# Altium PCB FMC_ADC_128CH_10B.PcbDoc (part 3 of 14)
Units mm, origin at the board's own origin, x right, y up, seen from the top; angles counter-clockwise.
Board outline 76.5 x 69 mm, 8 copper layers (Top Layer, Int1 (Sign), Int2 (GND), Int3 (Sign), Int4 (Sign), Int5 (GND), Int6 (Sign), Bottom Layer), stack 1.433 mm thick; 815 components, 661 nets, 3772 pads, 2072 vias.
Unrouted connection lines stored in the file: 135.
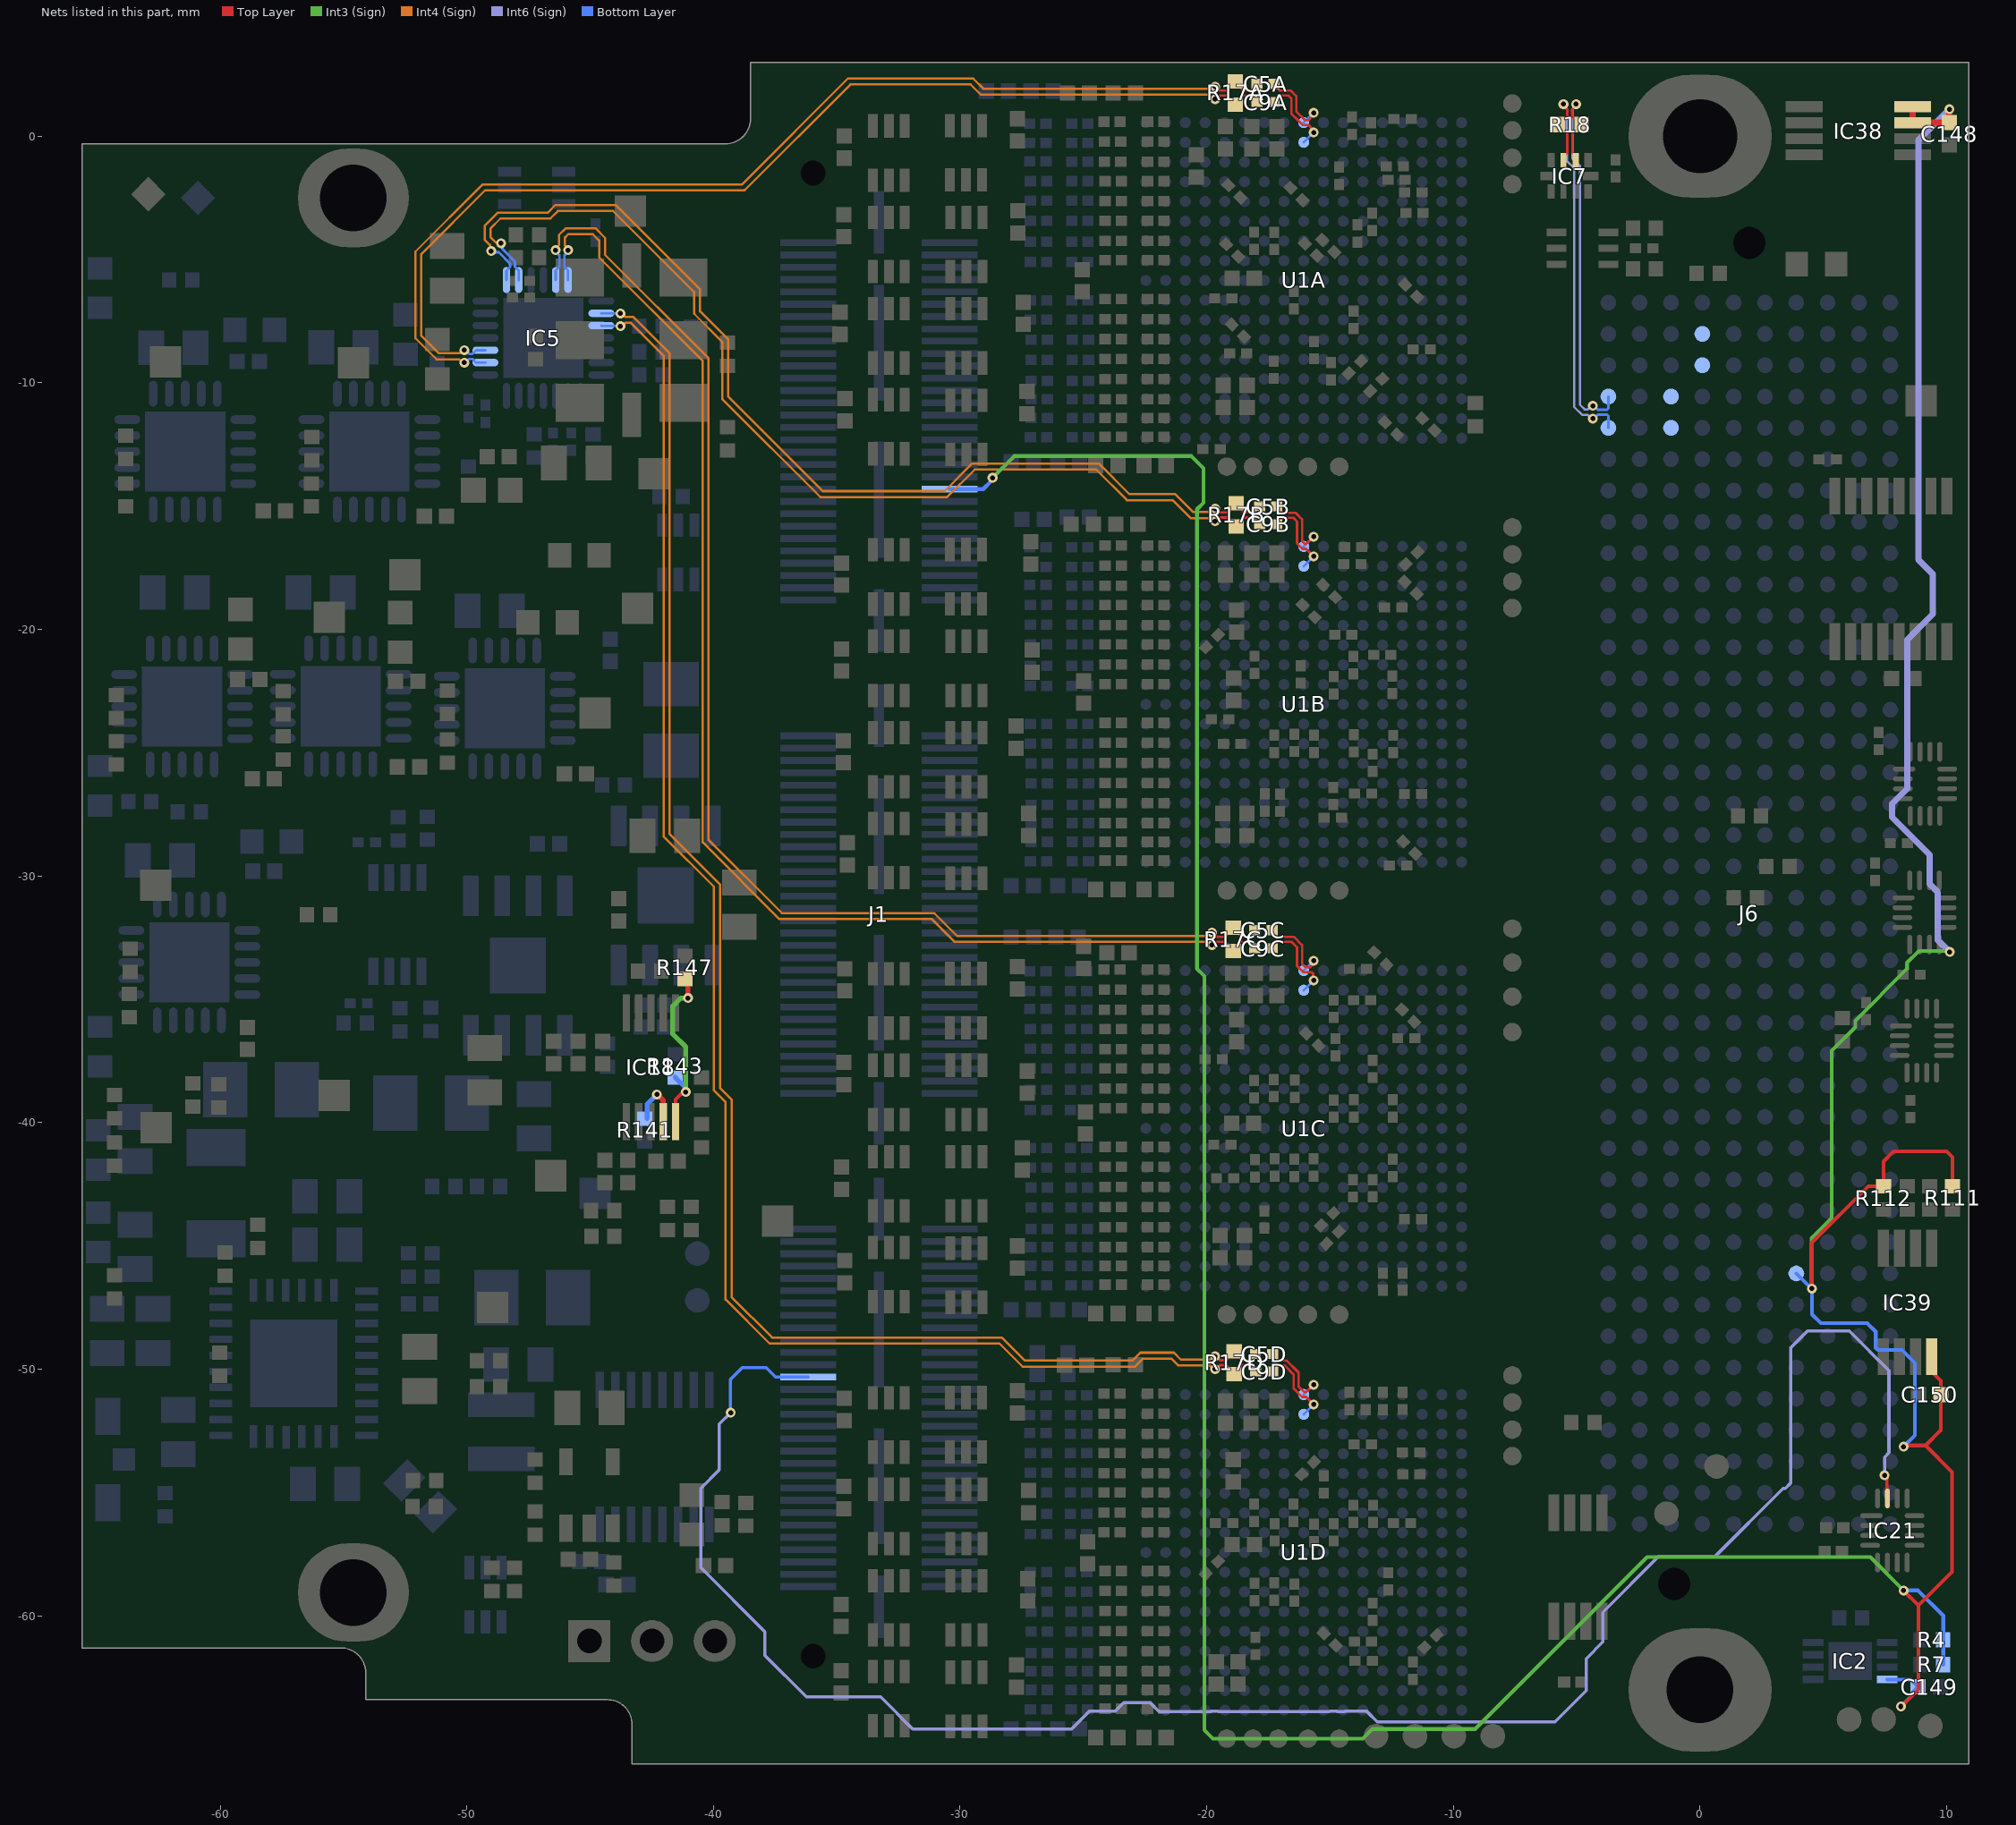
[diagram p9: the nets of this part, all layers, seen from the top]

## Footprints (in the part's own frame and the unit in brackets; to place one, negate y for a bottom-side part, rotate by r counter-clockwise, add the part's x,y. Pads: shape width x height; smd on the part's side, far side on the other; paste and mask are expansions set on the pad) (continued)
SAMTEC_ASP-134488-01 [mm] "Connector VITA 57, 400 Male contacts in 10 row abcdefghj"
  round 0.5 hole 1.3 unplated mask+0.4: 1(-27.191,-3.048) 2(27.191,0)
  round 0.64 smd paste+0.125: a1(24.765,5.715) a2(23.495,5.715) a3(22.225,5.715) a4(20.955,5.715) a5(19.685,5.715) a6(18.415,5.715) a7(17.145,5.715) a8(15.875,5.715) a9(14.605,5.715) a10(13.335,5.715) a11(12.065,5.715) a12(10.795,5.715) a13(9.525,5.715) a14(8.255,5.715) a15(6.985,5.715) a16(5.715,5.715) a17(4.445,5.715) a18(3.175,5.715) a19(1.905,5.715) a20(0.635,5.715) a21(-0.635,5.715) a22(-1.905,5.715) a23(-3.175,5.715) a24(-4.445,5.715) a25(-5.715,5.715) a26(-6.985,5.715) a27(-8.255,5.715) a28(-9.525,5.715) a29(-10.795,5.715) a30(-12.065,5.715) a31(-13.335,5.715) a32(-14.605,5.715) a33(-15.875,5.715) a34(-17.145,5.715) a35(-18.415,5.715) a36(-19.685,5.715) a37(-20.955,5.715) a38(-22.225,5.715) a39(-23.495,5.715) a40(-24.765,5.715) b1(24.765,4.445) b2(23.495,4.445) b3(22.225,4.445) b4(20.955,4.445) b5(19.685,4.445) b6(18.415,4.445) b7(17.145,4.445) b8(15.875,4.445) b9(14.605,4.445) b10(13.335,4.445) b11(12.065,4.445) b12(10.795,4.445) b13(9.525,4.445) b14(8.255,4.445) b15(6.985,4.445) b16(5.715,4.445) b17(4.445,4.445) b18(3.175,4.445) b19(1.905,4.445) b20(0.635,4.445) b21(-0.635,4.445) b22(-1.905,4.445) b23(-3.175,4.445) b24(-4.445,4.445) b25(-5.715,4.445) b26(-6.985,4.445) b27(-8.255,4.445) b28(-9.525,4.445) b29(-10.795,4.445) b30(-12.065,4.445) b31(-13.335,4.445) b32(-14.605,4.445) b33(-15.875,4.445) b34(-17.145,4.445) b35(-18.415,4.445) b36(-19.685,4.445) b37(-20.955,4.445) b38(-22.225,4.445) b39(-23.495,4.445) b40(-24.765,4.445) c1(24.765,3.175) c2(23.495,3.175) c3(22.225,3.175) c4(20.955,3.175) c5(19.685,3.175) c6(18.415,3.175) c7(17.145,3.175) c8(15.875,3.175) c9(14.605,3.175) c10(13.335,3.175) c11(12.065,3.175) c12(10.795,3.175) c13(9.525,3.175) c14(8.255,3.175) c15(6.985,3.175) c16(5.715,3.175) c17(4.445,3.175) c18(3.175,3.175) c19(1.905,3.175) c20(0.635,3.175) c21(-0.635,3.175) c22(-1.905,3.175) c23(-3.175,3.175) c24(-4.445,3.175) c25(-5.715,3.175) c26(-6.985,3.175) c27(-8.255,3.175) c28(-9.525,3.175) c29(-10.795,3.175) c30(-12.065,3.175) c31(-13.335,3.175) c32(-14.605,3.175) c33(-15.875,3.175) c34(-17.145,3.175) c35(-18.415,3.175) c36(-19.685,3.175) c37(-20.955,3.175) c38(-22.225,3.175) c39(-23.495,3.175) c40(-24.765,3.175) d1(24.765,1.905) d2(23.495,1.905) d3(22.225,1.905) d4(20.955,1.905) d5(19.685,1.905) d6(18.415,1.905) d7(17.145,1.905) d8(15.875,1.905) d9(14.605,1.905) d10(13.335,1.905) d11(12.065,1.905) d12(10.795,1.905) d13(9.525,1.905) d14(8.255,1.905) d15(6.985,1.905) d16(5.715,1.905) d17(4.445,1.905) d18(3.175,1.905) d19(1.905,1.905) d20(0.635,1.905) d21(-0.635,1.905) d22(-1.905,1.905) d23(-3.175,1.905) d24(-4.445,1.905) d25(-5.715,1.905) d26(-6.985,1.905) d27(-8.255,1.905) d28(-9.525,1.905) d29(-10.795,1.905) d30(-12.065,1.905) d31(-13.335,1.905) d32(-14.605,1.905) d33(-15.875,1.905) d34(-17.145,1.905) d35(-18.415,1.905) d36(-19.685,1.905) d37(-20.955,1.905) d38(-22.225,1.905) d39(-23.495,1.905) d40(-24.765,1.905) e1(24.765,0.635) e2(23.495,0.635) e3(22.225,0.635) e4(20.955,0.635) e5(19.685,0.635) e6(18.415,0.635) e7(17.145,0.635) e8(15.875,0.635) e9(14.605,0.635) e10(13.335,0.635) e11(12.065,0.635) e12(10.795,0.635) e13(9.525,0.635) e14(8.255,0.635) e15(6.985,0.635) e16(5.715,0.635) e17(4.445,0.635) e18(3.175,0.635) e19(1.905,0.635) e20(0.635,0.635) e21(-0.635,0.635) e22(-1.905,0.635) e23(-3.175,0.635) e24(-4.445,0.635) e25(-5.715,0.635) e26(-6.985,0.635) e27(-8.255,0.635) e28(-9.525,0.635) e29(-10.795,0.635) e30(-12.065,0.635) e31(-13.335,0.635) e32(-14.605,0.635) e33(-15.875,0.635) e34(-17.145,0.635) e35(-18.415,0.635) e36(-19.685,0.635) e37(-20.955,0.635) e38(-22.225,0.635) e39(-23.495,0.635) e40(-24.765,0.635) f1(24.765,-0.635) f2(23.495,-0.635) f3(22.225,-0.635) f4(20.955,-0.635) f5(19.685,-0.635) f6(18.415,-0.635) f7(17.145,-0.635) f8(15.875,-0.635) f9(14.605,-0.635) f10(13.335,-0.635) f11(12.065,-0.635) f12(10.795,-0.635) f13(9.525,-0.635) f14(8.255,-0.635) f15(6.985,-0.635) f16(5.715,-0.635) f17(4.445,-0.635) f18(3.175,-0.635) f19(1.905,-0.635) f20(0.635,-0.635) f21(-0.635,-0.635) f22(-1.905,-0.635) f23(-3.175,-0.635) f24(-4.445,-0.635) f25(-5.715,-0.635) f26(-6.985,-0.635) f27(-8.255,-0.635) f28(-9.525,-0.635) f29(-10.795,-0.635) f30(-12.065,-0.635) f31(-13.335,-0.635) f32(-14.605,-0.635) f33(-15.875,-0.635) f34(-17.145,-0.635) f35(-18.415,-0.635) f36(-19.685,-0.635) f37(-20.955,-0.635) f38(-22.225,-0.635) f39(-23.495,-0.635) f40(-24.765,-0.635) g1(24.765,-1.905) g2(23.495,-1.905) g3(22.225,-1.905) g4(20.955,-1.905) g5(19.685,-1.905) g6(18.415,-1.905) g7(17.145,-1.905) g8(15.875,-1.905) g9(14.605,-1.905) g10(13.335,-1.905) g11(12.065,-1.905) g12(10.795,-1.905) g13(9.525,-1.905) g14(8.255,-1.905) g15(6.985,-1.905) g16(5.715,-1.905) g17(4.445,-1.905) g18(3.175,-1.905) g19(1.905,-1.905) g20(0.635,-1.905) g21(-0.635,-1.905) g22(-1.905,-1.905) g23(-3.175,-1.905) g24(-4.445,-1.905) g25(-5.715,-1.905) g26(-6.985,-1.905) g27(-8.255,-1.905) g28(-9.525,-1.905) g29(-10.795,-1.905) g30(-12.065,-1.905) g31(-13.335,-1.905) g32(-14.605,-1.905) g33(-15.875,-1.905) g34(-17.145,-1.905) g35(-18.415,-1.905) g36(-19.685,-1.905) g37(-20.955,-1.905) g38(-22.225,-1.905) g39(-23.495,-1.905) g40(-24.765,-1.905) h1(24.765,-3.175) h2(23.495,-3.175) h3(22.225,-3.175) h4(20.955,-3.175) h5(19.685,-3.175) h6(18.415,-3.175) h7(17.145,-3.175) h8(15.875,-3.175) h9(14.605,-3.175) h10(13.335,-3.175) h11(12.065,-3.175) h12(10.795,-3.175) h13(9.525,-3.175) h14(8.255,-3.175) h15(6.985,-3.175) h16(5.715,-3.175) h17(4.445,-3.175) h18(3.175,-3.175) h19(1.905,-3.175) h20(0.635,-3.175) h21(-0.635,-3.175) h22(-1.905,-3.175) h23(-3.175,-3.175) h24(-4.445,-3.175) h25(-5.715,-3.175) h26(-6.985,-3.175) h27(-8.255,-3.175) h28(-9.525,-3.175) h29(-10.795,-3.175) h30(-12.065,-3.175) h31(-13.335,-3.175) h32(-14.605,-3.175) h33(-15.875,-3.175) h34(-17.145,-3.175) h35(-18.415,-3.175) h36(-19.685,-3.175) h37(-20.955,-3.175) h38(-22.225,-3.175) h39(-23.495,-3.175) h40(-24.765,-3.175) j1(24.765,-4.445) j2(23.495,-4.445) j3(22.225,-4.445) j4(20.955,-4.445) j5(19.685,-4.445) j6(18.415,-4.445) j7(17.145,-4.445) j8(15.875,-4.445) j9(14.605,-4.445) j10(13.335,-4.445) j11(12.065,-4.445) j12(10.795,-4.445) j13(9.525,-4.445) j14(8.255,-4.445) j15(6.985,-4.445) j16(5.715,-4.445) j17(4.445,-4.445) j18(3.175,-4.445) j19(1.905,-4.445) j20(0.635,-4.445) j21(-0.635,-4.445) j22(-1.905,-4.445) j23(-3.175,-4.445) j24(-4.445,-4.445) j25(-5.715,-4.445) j26(-6.985,-4.445) j27(-8.255,-4.445) j28(-9.525,-4.445) j29(-10.795,-4.445) j30(-12.065,-4.445) j31(-13.335,-4.445) j32(-14.605,-4.445) j33(-15.875,-4.445) j34(-17.145,-4.445) j35(-18.415,-4.445) j36(-19.685,-4.445) j37(-20.955,-4.445) j38(-22.225,-4.445) j39(-23.495,-4.445) j40(-24.765,-4.445) k1(24.765,-5.715) k2(23.495,-5.715) k3(22.225,-5.715) k4(20.955,-5.715) k5(19.685,-5.715) k6(18.415,-5.715) k7(17.145,-5.715) k8(15.875,-5.715) k9(14.605,-5.715) k10(13.335,-5.715) k11(12.065,-5.715) k12(10.795,-5.715) k13(9.525,-5.715) k14(8.255,-5.715) k15(6.985,-5.715) k16(5.715,-5.715) k17(4.445,-5.715) k18(3.175,-5.715) k19(1.905,-5.715) k20(0.635,-5.715) k21(-0.635,-5.715) k22(-1.905,-5.715) k23(-3.175,-5.715) k24(-4.445,-5.715) k25(-5.715,-5.715) k26(-6.985,-5.715) k27(-8.255,-5.715) k28(-9.525,-5.715) k29(-10.795,-5.715) k30(-12.065,-5.715) k31(-13.335,-5.715) k32(-14.605,-5.715) k33(-15.875,-5.715) k34(-17.145,-5.715) k35(-18.415,-5.715) k36(-19.685,-5.715) k37(-20.955,-5.715) k38(-22.225,-5.715) k39(-23.495,-5.715) k40(-24.765,-5.715)
  silkscreen extent -27.89,-7.34 28.78,7.34, body extent -27.89,-7.34 28.78,7.34, height 7.21
SAMTEC_QSH-090-01-L-D-A [mm] "180 (3x2x30) Contacts, Pitch 0.5mm, Straight Double Row High Speed Ground Plane Socket"
  rect 0.279x2.27 smd mask+0: 1(-27.252,-2.865) 2(-27.252,2.865) 3(-26.752,-2.865) 4(-26.752,2.865) 5(-26.252,-2.865) 6(-26.252,2.865) 7(-25.752,-2.865) 8(-25.752,2.865) 9(-25.252,-2.865) 10(-25.252,2.865) 11(-24.752,-2.865) 12(-24.752,2.865) 13(-24.252,-2.865) 14(-24.252,2.865) 15(-23.752,-2.865) 16(-23.752,2.865) 17(-23.252,-2.865) 18(-23.252,2.865) 19(-22.752,-2.865) 20(-22.752,2.865) 21(-22.252,-2.865) 22(-22.252,2.865) 23(-21.752,-2.865) 24(-21.752,2.865) 25(-21.252,-2.865) 26(-21.252,2.865) 27(-20.752,-2.865) 28(-20.752,2.865) 29(-20.252,-2.865) 30(-20.252,2.865) 31(-19.752,-2.865) 32(-19.752,2.865) 33(-19.252,-2.865) 34(-19.252,2.865) 35(-18.752,-2.865) 36(-18.752,2.865) 37(-18.252,-2.865) 38(-18.252,2.865) 39(-17.752,-2.865) 40(-17.752,2.865) 41(-17.252,-2.865) 42(-17.252,2.865) 43(-16.752,-2.865) 44(-16.752,2.865) 45(-16.252,-2.865) 46(-16.252,2.865) 47(-15.752,-2.865) 48(-15.752,2.865) 49(-15.252,-2.865) 50(-15.252,2.865) 51(-14.752,-2.865) 52(-14.752,2.865) 53(-14.252,-2.865) 54(-14.252,2.865) 55(-13.752,-2.865) 56(-13.752,2.865) 57(-13.252,-2.865) 58(-13.252,2.865) 59(-12.752,-2.865) 60(-12.752,2.865) 61(-7.25,-2.865) 62(-7.25,2.865) 63(-6.75,-2.865) 64(-6.75,2.865) 65(-6.25,-2.865) 66(-6.25,2.865) 67(-5.75,-2.865) 68(-5.75,2.865) 69(-5.25,-2.865) 70(-5.25,2.865) 71(-4.75,-2.865) 72(-4.75,2.865) 73(-4.25,-2.865) 74(-4.25,2.865) 75(-3.75,-2.865) 76(-3.75,2.865) 77(-3.25,-2.865) 78(-3.25,2.865) 79(-2.75,-2.865) 80(-2.75,2.865) 81(-2.25,-2.865) 82(-2.25,2.865) 83(-1.75,-2.865) 84(-1.75,2.865) 85(-1.25,-2.865) 86(-1.25,2.865) 87(-0.75,-2.865) 88(-0.75,2.865) 89(-0.25,-2.865) 90(-0.25,2.865) 91(0.25,-2.865) 92(0.25,2.865) 93(0.75,-2.865) 94(0.75,2.865) 95(1.25,-2.865) 96(1.25,2.865) 97(1.75,-2.865) 98(1.75,2.865) 99(2.25,-2.865) 100(2.25,2.865) 101(2.75,-2.865) 102(2.75,2.865) 103(3.25,-2.865) 104(3.25,2.865) 105(3.75,-2.865) 106(3.75,2.865) 107(4.25,-2.865) 108(4.25,2.865) 109(4.75,-2.865) 110(4.75,2.865) 111(5.25,-2.865) 112(5.25,2.865) 113(5.75,-2.865) 114(5.75,2.865) 115(6.25,-2.865) 116(6.25,2.865) 117(6.75,-2.865) 118(6.75,2.865) 119(7.25,-2.865) 120(7.25,2.865) 121(12.753,-2.865) 122(12.753,2.865) 123(13.253,-2.865) 124(13.253,2.865) 125(13.753,-2.865) 126(13.753,2.865) 127(14.253,-2.865) 128(14.253,2.865) 129(14.753,-2.865) 130(14.753,2.865) 131(15.253,-2.865) 132(15.253,2.865) 133(15.753,-2.865) 134(15.753,2.865) 135(16.253,-2.865) 136(16.253,2.865) 137(16.753,-2.865) 138(16.753,2.865) 139(17.253,-2.865) 140(17.253,2.865) 141(17.753,-2.865) 142(17.753,2.865) 143(18.253,-2.865) 144(18.253,2.865) 145(18.753,-2.865) 146(18.753,2.865) 147(19.253,-2.865) 148(19.253,2.865) 149(19.753,-2.865) 150(19.753,2.865) 151(20.253,-2.865) 152(20.253,2.865) 153(20.753,-2.865) 154(20.753,2.865) 155(21.253,-2.865) 156(21.253,2.865) 157(21.753,-2.865) 158(21.753,2.865) 159(22.253,-2.865) 160(22.253,2.865) 161(22.753,-2.865) 162(22.753,2.865) 163(23.253,-2.865) 164(23.253,2.865) 165(23.753,-2.865) 166(23.753,2.865) 167(24.253,-2.865) 168(24.253,2.865) 169(24.753,-2.865) 170(24.753,2.865) 171(25.253,-2.865) 172(25.253,2.865) 173(25.753,-2.865) 174(25.753,2.865) 175(26.253,-2.865) 176(26.253,2.865) 177(26.753,-2.865) 178(26.753,2.865) 179(27.253,-2.865) 180(27.253,2.865)
  rect 2.54x0.43 smd mask+0: 181(-28.067,0) 184(-11.937,0) 185(-8.065,0) 188(8.065,0) 189(11.938,0) 192(28.068,0)
  rect 4.7x0.43 smd mask+0: 182(-23.177,0) 183(-16.827,0) 186(-3.175,0) 187(3.175,0) 190(16.828,0) 191(23.178,0)
  round 0.5 hole 1 unplated mask+0.25: 193(-30.069,2.67) 194(30.069,2.67)
  silkscreen extent -30.72,-4.39 30.6,3.62, body extent -30.73,-3.74 30.6,3.74, height 3.17
SC70-6 [mm]
  rect 0.3x0.8 smd: 1(0,0) 2(0.65,0) 3(1.3,0) 4(1.3,2.1) 5(0.65,2.1) 6(0,2.1)
  silkscreen extent -0.83,-0.14 1.78,1.5, body extent -0.45,-0.13 1.75,2.27, height 1.1
SON50P300X200X100-9N-R175X155 [mm] "SON (DFN), 0.50mm pitch, 8 pin, 2mm X 3mm X 1.00mm H body (w/thermal tab 1.75 X 1.55mm),  IPC Medium Density"
  rect 0.85x0.3 smd: 1(-1.5,0.75) 2(-1.5,0.25) 3(-1.5,-0.25) 4(-1.5,-0.75) 5(1.5,-0.75) 6(1.5,-0.25) 7(1.5,0.25) 8(1.5,0.75)
  rect 1.75x1.55 smd: 9(0,0)
  silkscreen extent -2.52,0.63 -2.27,0.87, body extent -1.5,-1 1.5,1, height 1.02
SOP50P490X110-10N [mm] "MSOP, 10-Leads, Body 3.1x3.1mm (max), Pitch 0.50mm, IPC Medium Density"
  rect 1.5x0.3 smd: 1(-2.2,1) 2(-2.2,0.5) 3(-2.2,0) 4(-2.2,-0.5) 5(-2.2,-1) 6(2.2,-1) 7(2.2,-0.5) 8(2.2,0) 9(2.2,0.5) 10(2.2,1)
  silkscreen extent -2.82,-1.5 1.12,1.78, body extent -2.45,-1.55 2.45,1.55, height 1.1
SOP65P400X130-8N [mm] "SOP, 0.65mm, Pitch; 8 Pin, 2.80mm W X 2.95mm L X 1.30mm H Body, PC Medium Density"
  rect 1.1x0.4 smd: 1(-1.9,0.975) 2(-1.9,0.325) 3(-1.9,-0.325) 4(-1.9,-0.975) 5(1.9,-0.975) 6(1.9,-0.325) 7(1.9,0.325) 8(1.9,0.975)
  silkscreen extent -2.32,-1.5 1.03,1.82, body extent -2.15,-1.57 2.15,1.58, height 1.3
SOP65P490X109-8N [mm] "SOP, 0.65mm pitch; 8 pin,3.00mm W X 3.00mm L X 1.09mm H bodyI, PC Medium Density"
  rect 1.5x0.45 smd: 1(-2.2,0.975) 2(-2.2,0.325) 3(-2.2,-0.325) 4(-2.2,-0.975) 5(2.2,-0.975) 6(2.2,-0.325) 7(2.2,0.325) 8(2.2,0.975)
  silkscreen extent -2.82,-1.5 1.12,1.82, body extent -2.45,-1.55 2.45,1.55, height 1.09
SOP65P490X110-8N [mm] "SOP, 0.65mm pitch; 8 pin, 3.00mm W X 3.00mm L X 1.10mm H body, IPC Medium Density"
  rect 1.5x0.45 smd: 1(-2.2,0.975) 2(-2.2,0.325) 3(-2.2,-0.325) 4(-2.2,-0.975) 5(2.2,-0.975) 6(2.2,-0.325) 7(2.2,0.325) 8(2.2,0.975)
  silkscreen extent -2.82,-1.5 1.12,1.83, body extent -2.45,-1.55 2.45,1.55, height 1.1
SOP65P640X110-16N [mm] "SOP, 0.65mm pitch; 16 pin, 4.40mm W X 5.00mm L X 1.10mm H body IPC Medium Density"
  rect 1.5x0.45 smd: 1(-2.95,2.275) 2(-2.95,1.625) 3(-2.95,0.975) 4(-2.95,0.325) 5(-2.95,-0.325) 6(-2.95,-0.975) 7(-2.95,-1.625) 8(-2.95,-2.275) 9(2.95,-2.275) 10(2.95,-1.625) 11(2.95,-0.975) 12(2.95,-0.325) 13(2.95,0.325) 14(2.95,0.975) 15(2.95,1.625) 16(2.95,2.275)
  silkscreen extent -3.57,-2.5 1.88,3.12, body extent -3.12,-2.55 3.12,2.55, height 1.1
SOT65P210X110-6N [mm] "SOT363, SC70-6, SOT, 0.65mm Pitch, 6 Pin, 1.25mm W X 2.00mm L X 1.10mm H, IPC Medium Density"
  rect 0.95x0.4 smd: 1(-1.1,0.65) 2(-1.1,0) 3(-1.1,-0.65) 4(1.1,-0.65) 5(1.1,0) 6(1.1,0.65)
  silkscreen extent -1.42,-1 0.3,1.48, body extent -1.2,-1.1 1.2,1.1, height 1.1
SOT95P280X100-5N [mm] "SOT23, 0.95mm pitch; 5 pin, 1.625mm W X 2.9mm L, IPC Medium Density"
  rect 1.1x0.55 smd: 1(-1.35,0.95) 2(-1.35,0) 3(-1.35,-0.95) 4(1.35,-0.95) 5(1.35,0.95)
  silkscreen extent -1.77,-1.45 0.48,1.87, body extent -1.4,-1.5 1.4,1.5, height 1
"TEXAS_RSE (R-PUQFN-N10)" [mm] "QFN, 10-Leads, Body 1.5x2mm, Pitch 0.50mm, IPC Medium Density"
  rect 0.575x0.3 smd: 1(-0.637,0.75) 4(-0.637,-0.75) 6(0.637,-0.75) 9(0.637,0.75)
  rect 0.575x0.25 smd: 2(-0.637,0.25) 3(-0.637,-0.25) 7(0.637,-0.25) 8(0.637,0.25)
  rect 0.35x0.63 smd: 5(0,-0.86) 10(0,0.86)
  silkscreen extent -1.6,0.63 -1.35,0.88, body extent -0.77,-1.02 0.78,1.03, height 0.6
TPS127 [mm] "1.27 x  1.27mm SMD Test Point Area"
  rect 1.27x1.27 smd paste-1.27: 1(0,0)
  silkscreen extent -0.93,-0.94 0.94,0.93

## Part data
B1 B2 B3 B4: library part PLATED_HOLE3.0_PAD6.0, "Single Terminal Socket", Author="CERN DEM JLC", Component Type="Standard (No BOM)", ComponentHeight=0mm, CreateDate=26.05.2008, Family="Plated Hole", LatestRevisionDate=26.05.2008, Mounted=No, PackageDescription="Plated Through Hole: Hole Dia.=3.0mm Pad Dia.=6.0mm", Part Description="Plated Through Hole: Hole Dia.=3.0mm Pad Dia.=6.0mm", Part Number=PLATED_HOLE3.0_PAD6.0, Pin Count=1, SMD=No, Socket=No, Status=None, Table=Pads
B5 B14 B16 B17 B22 B23 B24 B25: library part SMD_PAD_D1MM, "Through Hole Pad", Author="CERN DEM JLC", Component Type="Standard (No BOM)", ComponentHeight=0mm, CreateDate=10.10.2017, Family="SMD Pad", HelpURL=Undefined, LatestRevisionDate=10.10.2017, Mounted=No, PackageDescription="1mm Diameter SMD Pad", Part Description="1mm Diameter SMD Pad", Part Number=SMD_PAD_D1MM, Pin Count=1, Sense=No, SMD=No, Socket=No, Status=None
B6A B6B B6C B6D B7A B7B B7C B7D B8A B8B B8C B8D B9A B9B B9C B9D B10A B10B B10C B10D B11A B11B B11C B11D B12A B12B B12C B12D B13A B13B B13C B13D B15A B15B B15C B15D: library part SMD_PAD_D0.75MM, "Through Hole Pad", Author="CERN DEM BC", Component Type="Standard (No BOM)", ComponentHeight=0mm, CreateDate=04.06.2020, Family="SMD Pad", HelpURL=Undefined, LatestRevisionDate=04.06.2020, Mounted=No, PackageDescription="0.75mm Diameter SMD Pad", Part Description="0.75mm Diameter SMD Pad", Part Number=SMD_PAD_D0.75MM, Pin Count=1, Sense=No, SMD=No, Socket=No, Status=None
C1A C1B C1C C1D C2A C2B C2C C2D C3A C3B C3C C3D C4A C4B C4C C4D C6A C6B C6C C6D C14A C14B C14C C14D C15A C15B C15C C15D C26A C26B C26C C26D C27A C27B C27C C27D C33A C33B C33C C33D C34A C34B C34C C34D C35A C35B C35C C35D C57A C57B C57C C57D C58A C58B C58C C58D C59A C59B C59C C59D C60A C60B C60C C60D C61A C61B C61C C61D C62A C62B C62C C62D C69A C69B C69C C69D C70A C70B C70C C70D C71A C71B C71C C71D C72A C72B C72C C72D C73A C73B C73C C73D C74A C74B C74C C74D C116 C119 C127: library part CC0402_1UF_25V_10%_X5R, "Non-polarised capacitor", Case=0402, Manufacturer=GENERIC, Manufacturer1 ComponentHeight=0.55mm, Manufacturer1 Example=TDK, Manufacturer1 Part Number=C1005X5R1E105K050, Tolerance=±10%, Voltage=25V, Author="CERN DEM BC", Component Type=Standard, CreateDate=17.02.2020, HelpURL=\\cern.ch\dfs\Applications\Altium\Datasheets\CC0402_X5R_TDK_C.pdf, LatestRevisionDate=17.02.2020, Manufacturer Part Number=CC0402_1UF_25V_10%_X5R, Mounted=Yes, Part Description="SMD Multilayer Chip Ceramic Capacitor", Part Number=CC0402_1UF_25V_10%_X5R, Pin Count=2, Sense=No, SMD=Yes, Socket=No, Status=Preferred, TC=X5R
C5A C5B C5C C5D C9A C9B C9C C9D C12 C13 C17 C21 C22 C23 C24 C30 C64 C65 C66 C67 C68 C124 C128 C129 C290 C291 C292 C293 C294 C295: library part CC0201_100NF_6.3V_10%_X5R, "Non-polarised capacitor", Case=0201, Manufacturer=GENERIC, Manufacturer1 ComponentHeight=0.33mm, Manufacturer1 Example=AVX, Manufacturer1 Part Number=02016D104KAT2A, Tolerance=±10%, Voltage=6.3V, Author="CERN DEM JLC", Component Type=Standard, CreateDate=03.12.2007, HelpURL=\\cern.ch\dfs\Applications\Altium\Datasheets\CC0201_X5R_AVX.pdf, LatestRevisionDate=03.12.2007, Manufacturer Part Number=CC0201_100NF_6.3V_10%_X5R, Mounted=Yes, Part Description="SMD Multilayer Chip Ceramic Capacitor", Part Number=CC0201_100NF_6.3V_10%_X5R, Pin Count=2, Sense=No, SMD=Yes, Socket=No, Status="Not Recommended", TC=X5R
C7A C7B C7C C7D C8A C8B C8C C8D C10A C10B C10C C10D C11A C11B C11C C11D C16A C16B C16C C16D C18A C18B C18C C18D C25A C25B C25C C25D C29A C29B C29C C29D C31A C31B C31C C31D C32A C32B C32C C32D C36A C36B C36C C36D C37A C37B C37C C37D C38A C38B C38C C38D C39A C39B C39C C39D C40A C40B C40C C40D C41A C41B C41C C41D C42A C42B C42C C42D C43A C43B C43C C43D C44A C44B C44C C44D C45A C45B C45C C45D C46A C46B C46C C46D C47A C47B C47C C47D C48A C48B C48C C48D C49A C49B C49C C49D C50A C50B C50C C50D C51A C51B C51C C51D C52A C52B C52C C52D C53A C53B C53C C53D C54A C54B C54C C54D C55A C55B C55C C55D C56A C56B C56C C56D: library part CC0201_100NF_6.3V_10%_X7R, "Non-polarised capacitor", Case=0201, Manufacturer=GENERIC, Manufacturer1 ComponentHeight=0.33mm, Manufacturer1 Example="YAGEO PHYCOMP", Manufacturer1 Part Number=CC0201KRX7R5BB104, Tolerance=±10%, Voltage=6.3V, Author="CERN DEM BC", Component Type=Standard, CreateDate=20.11.2020, HelpURL=\\cern.ch\dfs\Applications\Altium\Datasheets\CC0201_X7R_YAGEO_6.3VTO50V.pdf, LatestRevisionDate=20.11.2020, Manufacturer Part Number=CC0201_100NF_6.3V_10%_X7R, Mounted=Yes, Part Description="SMD Multilayer Chip Ceramic Capacitor", Part Number=CC0201_100NF_6.3V_10%_X7R, Pin Count=2, Sense=No, SMD=Yes, Socket=No, Status="Not Recommended", TC=X7R
C19 C114 C117 C125: library part CC0402_1NF_50V_10%_X7R, "Non-polarised capacitor", Case=0402, Manufacturer=GENERIC, Manufacturer1 ComponentHeight=0.55mm, Manufacturer1 Example=PHYCOMP, Manufacturer1 Part Number=223858715623, Tolerance=±10%, Voltage=50V, Author="CERN DEM JLC", Component Type=Standard, CreateDate=03.12.2007, HelpURL=\\cern.ch\dfs\Applications\Altium\Datasheets\CC0402_X7R_PHYCOMP.pdf, LatestRevisionDate=03.12.2007, Manufacturer Part Number=CC0402_1NF_50V_10%_X7R, Mounted=Yes, Part Description="SMD Multilayer Chip Ceramic Capacitor", Part Number=CC0402_1NF_50V_10%_X7R, Pin Count=2, Sense=No, SMD=Yes, Socket=No, Status="Not Recommended", TC=X7R
C20 C28: library part CC0805_4.7UF_10V_10%_X5R, "Non-polarised capacitor", Case=0805, Manufacturer=GENERIC, Manufacturer1 ComponentHeight=1.45mm, Manufacturer1 Example=PHYCOMP, Manufacturer1 Part Number=222224013672, Tolerance=±10%, Voltage=10V, Author="CERN DEM JLC", Component Type=Standard, CreateDate=03.12.2007, HelpURL=\\cern.ch\dfs\Applications\Altium\Datasheets\CC0805_X5R_PHYCOMP_HC.pdf, LatestRevisionDate=03.12.2007, Manufacturer Part Number=CC0805_4.7UF_10V_10%_X5R, Mounted=Yes, Part Description="SMD Multilayer Chip Ceramic Capacitor", Part Number=CC0805_4.7UF_10V_10%_X5R, Pin Count=2, Sense=No, SMD=Yes, Socket=No, Status=Preferred, TC=X5R
C63 C102 C115 C118 C120 C126 C148 C149 C150: library part CC0402_100NF_16V_10%_X5R, "Non-polarised capacitor", Case=0402, Manufacturer=GENERIC, Manufacturer1 ComponentHeight=0.55mm, Manufacturer1 Example=MURATA, Manufacturer1 Part Number=GRM155R61C104KA88D, Tolerance=±10%, Voltage=16V, Author="CERN DEM JLC", Component Type=Standard, CreateDate=10.12.2013, HelpURL=\\cern.ch\dfs\Applications\Altium\Datasheets\CC0402_X5R_MURATA_GRM.pdf, LatestRevisionDate=10.12.2013, Manufacturer Part Number=CC0402_100NF_16V_10%_X5R, Mounted=Yes, Part Description="SMD Multilayer Chip Ceramic Capacitor", Part Number=CC0402_100NF_16V_10%_X5R, Pin Count=2, Sense=No, SMD=Yes, Socket=No, Status=None, TC=X5R
C75 C76 C78 C82 C83 C89 C92 C98 C100 C104 C105 C106 C107 C112: library part CC0402_1UF_16V_10%_X5R, "Non-polarised capacitor", Case=0402, Manufacturer=GENERIC, Manufacturer1 ComponentHeight=0.55mm, Manufacturer1 Example=TDK, Manufacturer1 Part Number=C1005X5R1C105KT, Tolerance=±10%, Voltage=16V, Author="CERN DEM JLC", Component Type=Standard, CreateDate=2012-10-25, HelpURL=\\cern.ch\dfs\Applications\Altium\Datasheets\CC0402_X5R_TDK_C.pdf, LatestRevisionDate=2012-10-25, Manufacturer Part Number=CC0402_1UF_16V_10%_X5R, Mounted=Yes, Part Description="SMD Multilayer Chip Ceramic Capacitor", Part Number=CC0402_1UF_16V_10%_X5R, Pin Count=2, Sense=No, SMD=Yes, Socket=No, Status=Preferred, TC=X5R
C77 C79 C80 C81 C84 C85 C86 C87 C90 C91 C93 C94 C95 C97 C99 C101 C103 C108 C109 C111 C113 C121 C123: library part CC0805_22UF_16V_10%_X5R, "Non-polarised capacitor", Case=0805, Manufacturer=GENERIC, Manufacturer1 ComponentHeight=1.35mm, Manufacturer1 Example=TDK, Manufacturer1 Part Number=C2012X5R1C226KT, Tolerance=±10%, Voltage=16V, Author="CERN DEM JLC", Component Type=Standard, CreateDate=25.10.2012, HelpURL=\\cern.ch\dfs\Applications\Altium\Datasheets\CC0805_X5R_TDK_C.pdf, LatestRevisionDate=25.10.2012, Manufacturer Part Number=CC0805_22UF_16V_10%_X5R, Mounted=Yes, Part Description="SMD Multilayer Chip Ceramic Capacitor", Part Number=CC0805_22UF_16V_10%_X5R, Pin Count=2, Sense=No, SMD=Yes, Socket=No, Status=Preferred, TC=X5R
C88 C96 C110 C122: library part CTE3528-21_22UF_10V_10%_LESR0700, "Polarised capacitor", Case=B, Manufacturer=GENERIC, Manufacturer1 ComponentHeight=2.1mm, Manufacturer1 Example=AVX, Manufacturer1 Part Number=TPSB226K010R0700, Tolerance=±10%, Voltage=10V, Author="CERN DEM JLC", Component Type=Standard, CreateDate=05.05.2008, HelpURL=\\cern.ch\dfs\Applications\Altium\Datasheets\CTE-LESR_AVX_TPS.pdf, LatestRevisionDate=20.01.2009, Manufacturer Part Number=CTE3528-21_22UF_10V_10%_LESR0700, Mounted=Yes, Part Description="Low ESR 0R7 Solid Tantalum Chip Capacitor", Part Number=CTE3528-21_22UF_10V_10%_LESR0700, Pin Count=2, Sense=No, SMD=Yes, Socket=No, Status=Preferred
D1A D1B D1C D1D D2A D2B D2C D2D D3A D3B D3C D3D D4A D4B D4C D4D D5A D5B D5C D5D D6A D6B D6C D6D D7A D7B D7C D7D D8A D8B D8C D8D: library part D_TVS_D1213A-04S-7, "Integrated Quad Ultra-Low Capacitance ESD Protection", Case=SOT363, Manufacturer=DIODES, Author=GK, Bonding=No, Component Type=Standard, ComponentHeight=1.1mm, CreateDate=24.01.2017, Device=D1213A-04S-7, HelpURL=\\cern.ch\dfs\Applications\Altium\Datasheets\PRTR5V0U4Y.pdf, LatestRevisionDate=14.09.2020, Manufacturer Part Number=D1213A-04S-7, Mounted=Yes, PackageDescription="SOT363, SC70-6, 0.65mm Pitch; 6 Pin, 1.25mm W X 2.00mm L X 1.10mm H body, IPC Medium Density", Part Description="Integrated Quad Ultra-Low Capacitance ESD (±8kV) Protection", Part Number=D1213A-04S-7, Pin Count=6, PressFit=No, Sense=No, SMD=Yes, Socket=No, Status=Active, Status Comment=Active
FTG1 FTG3: library part FIDUCIAL_TARGET_C100-200, "Fiducial Target", Author="CERN DEM JLC", Component Type="Standard (No BOM)", ComponentHeight=0mm, CreateDate=09.02.2010, Family=Fiducial, HelpURL=Undefined, LatestRevisionDate=04.04.2012, Mounted=No, PackageDescription="Round Fiducial Target, Top Layer, 1.0mm, Top Solder 2.0mm, Keepout =2.0mm", Part Description="Round Fiducial Target, Top Layer, 1.0mm, Top Solder 2.0mm, Keepout =2.0mm", Part Number=FIDUCIAL_TARGET_C100-200, Pin Count=1, Sense=No, SMD=Yes, Socket=No, Status=None
FTG2 FTG4: library part FIDUCIAL_TARGET_S100-200, "Fiducial Target", Author="CERN DEM JLC", Component Type="Standard (No BOM)", ComponentHeight=0mm, CreateDate=09.02.2010, Family=Fiducial, HelpURL=Undefined, LatestRevisionDate=04.04.2012, Mounted=No, PackageDescription="Square Fiducial Target, Top Layer, 1.0mm, Top Solder 2.0mm, Keepout =2.0mm", Part Description="Square Fiducial Target, Top Layer, 1.0mm, Top Solder 2.0mm, Keepout =2.0mm", Part Number=FIDUCIAL_TARGET_S100-200, Pin Count=1, Sense=No, SMD=Yes, Socket=No, Status=None
IC1 IC3 IC6 IC21: library part SN74AXC4T245, "4-Bit Dual-Supply Bus Transceiver with Configurable Voltage Translation and 3-State Output", Case=QFN16, Manufacturer="TEXAS INSTRUMENTS", Author=GK, Bonding=No, Component Type=Standard, ComponentHeight=0.55mm, CreateDate=08.07.2014, Device=SN74AXC4T245RSV, HelpURL=\\cern.ch\dfs\Applications\Altium\Datasheets\SN74AVC4T245RSVR.pdf, LatestRevisionDate=30.03.2017, Manufacturer Part Number=SN74AXC4T245RSV, Mounted=Yes, PackageDescription="QFN, 0.40mm Pitch, Rect.; 16 Pin, 2.60mm L X 1.80mm W X 0.55mm H Body, IPC Medium Density", Part Description="4-Bit Dual-Supply Bus Transceiver With Configurable Voltage Translation and 3-State Outputs", Part Number=SN74AXC4T245RSV, Pin Count=16, PressFit=No, Sense=No, SMD=Yes, Socket=No, Status=Recommended
IC2: "1.7V-5.5V 64K I2C Serial EEPROM", Case=DFN8, Manufacturer="MICROCHIP TECHNOLOGY", Author="CERN DEM JLC", Bonding=No, Component Type=Standard, ComponentHeight=1mm, CreateDate=18.11.2009, Device=24AA64T-I/MC, HelpURL=\\cern.ch\dfs\Applications\Altium\Datasheets\24AA64T-I-MC.pdf, LatestRevisionDate=24.01.2011, Manufacturer Part Number=24AA64T-I/MC, Mounted=Yes, PackageDescription="SON (DFN), 0.50mm pitch, 8 pin, 2mm X 3mm X 1.00mm H body (w/thermal tab 1.75 X 1.55mm),  IPC Medium Density", Part Description="1.7V-5.5V, 64K  (8K x 8-bit) I2C Serial EEPROM", Part Number=24AA64T-I/MC, Pin Count=9, PressFit=No, Sense=No, SMD=Yes, Socket=No